# KiCad board panel_32x32_1515_r0.1.kicad_pcb (continued)
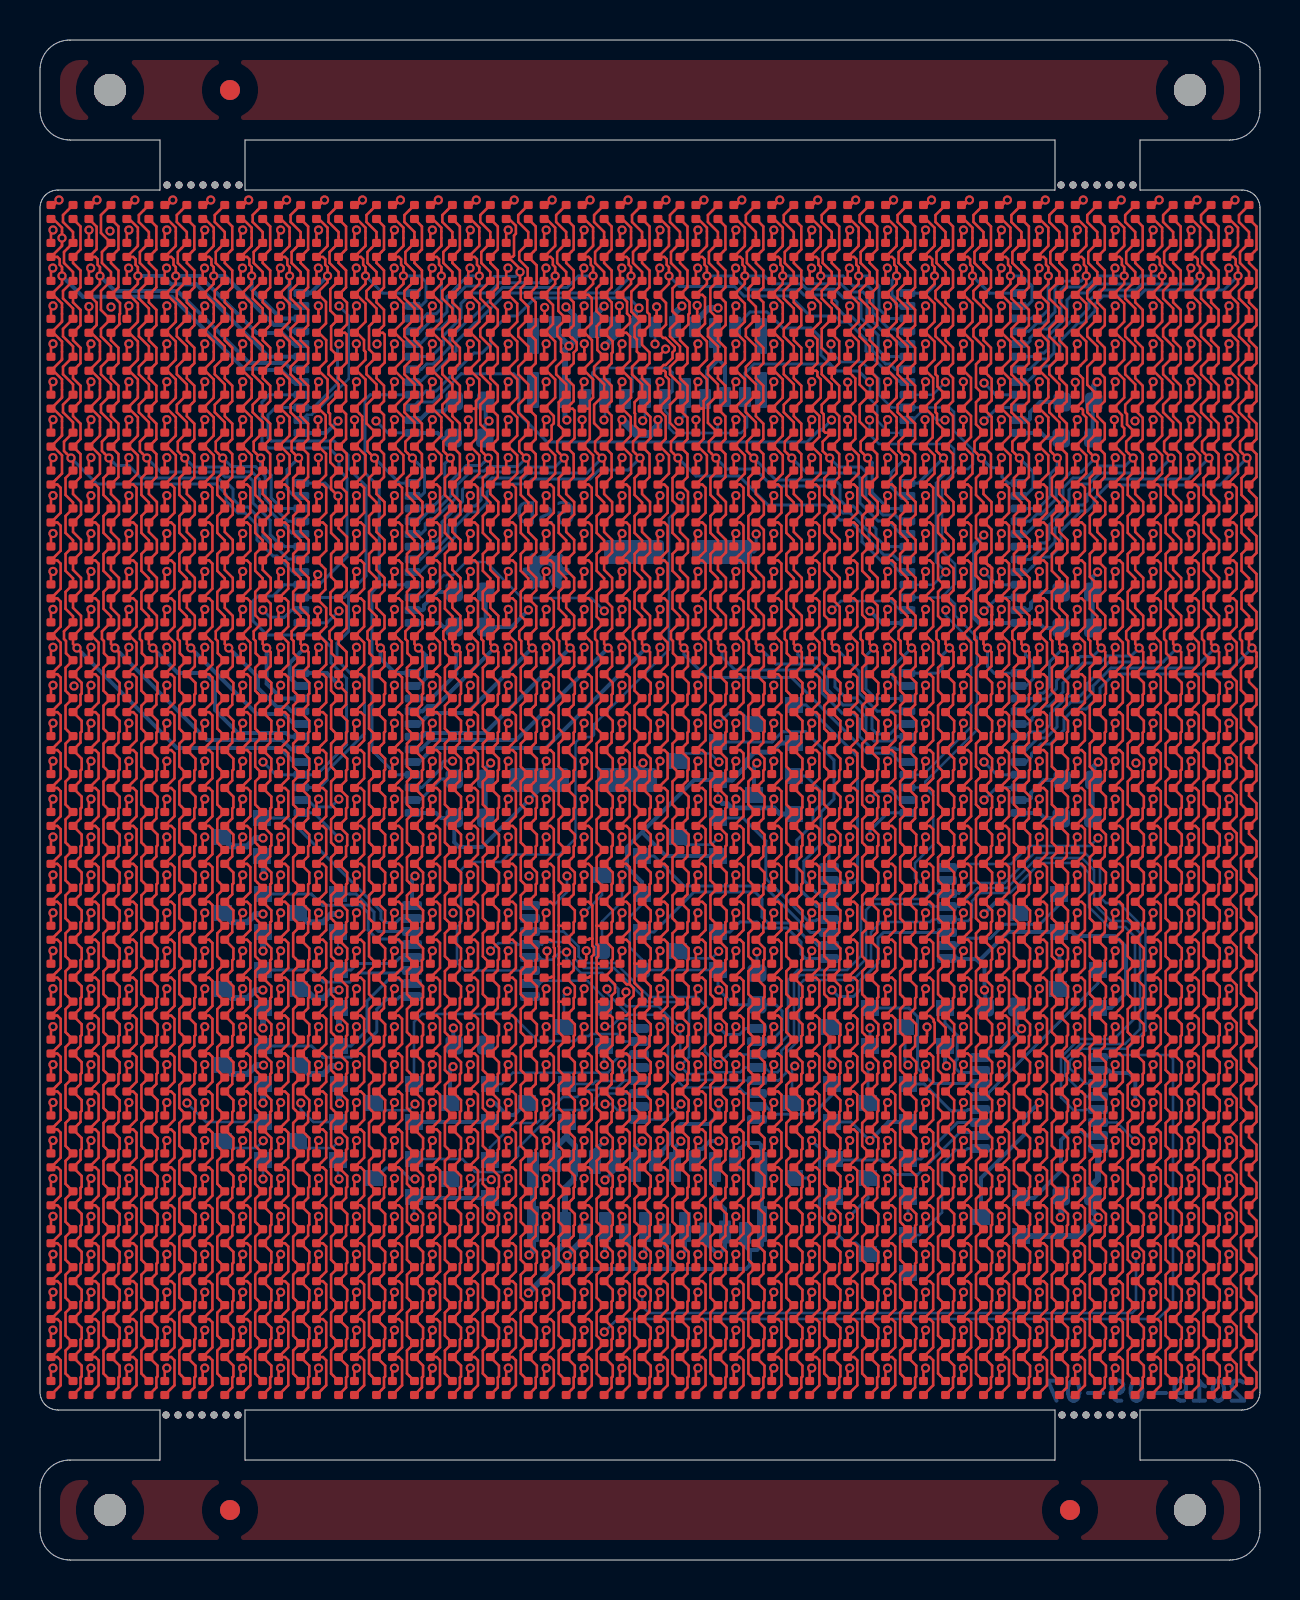
[diagram p0: board, top side]
## Routing (per net, layer and track width the routed paths; a pad name or vN(x,y) marks a point on that pad's centre or on a via; arc(x,y) is an arc through that point) (continued)
COL_GA0: length 83
  Top w0.127: D993.3 2.03,8.63 2.03,9.12 2.08,9.18 2.08,9.72 D961.3 2.03,10.52 2.03,11.02 2.08,11.08 2.08,11.61 D929.3 2.03,12.42 2.03,12.92 2.08,12.97 2.08,13.51 D897.3 2.03,14.32 2.03,14.81 2.08,14.87 2.08,15.41 D865.3 2.03,16.21 2.03,16.71 2.08,16.77 2.08,17.3 D833.3 2.03,18.11 2.03,18.61 2.08,18.66 2.08,19.2 D801.3 2.03,20.01 2.03,20.5 2.08,20.56 2.08,21.1 D769.3 2.03,21.9 2.03,22.4 2.08,22.46 2.08,22.99 D737.3 2.03,23.8 2.03,24.3 2.08,24.35 2.08,24.89 D705.3 2.03,25.7 2.03,26.19 2.08,26.25 2.08,26.79 D673.3 2.03,27.59 2.03,28.09 2.08,28.15 2.08,28.68 D641.3 2.03,29.49 2.03,29.99 2.08,30.04 2.08,30.58 D609.3 2.03,31.39 2.03,31.88 2.08,31.94 2.08,32.48 D577.3 2.03,33.28 2.03,33.78 2.08,33.84 2.08,34.37 D545.3 2.03,35.18 2.03,35.68 2.08,35.73 2.08,36.27 D513.3 2.03,37.08 2.03,37.57 2.08,37.63 2.08,38.17 D481.3 2.03,38.97 2.03,39.47 2.08,39.53 2.08,40.07 D449.3 2.03,40.87 2.03,41.37 2.08,41.42 2.08,41.96 D417.3 2.03,42.77 2.03,43.26 2.08,43.32 2.08,43.86 D385.3 2.05,44.69 2.05,45.4 v1(1.85,45.6) 1.65,45.8 D353.3 2.05,46.59 2.05,47.21 1.65,47.61 D321.3 2.05,48.48 2.05,49.11 1.65,49.51 D289.3 2.05,50.38 2.05,51 1.65,51.4 D257.3 2.05,52.28 2.05,52.9 1.65,53.3 D225.3 2.03,54.15 2.03,55.3 D193.3 2.03,56.04 2.03,56.82 1.65,57.19 D161.3 2.03,57.94 2.03,58.71 1.65,59.09 D129.3 2.03,59.84 2.03,60.61 1.65,60.99 D97.3 2.03,61.73 2.03,62.51 1.65,62.88 D65.3 2.03,63.63 2.03,64.48 1.65,64.85 D33.3 2.03,65.53 2.03,66.68 D1.3
  Bottom w0.2: v1(1.85,45.6) 6.85,40.6 12,40.6 12.7,39.9 U5.5
COL_GA1: length 80.9
  Top w0.127: D2.3 3.92,66.68 3.92,65.53 D34.3 3.55,64.85 3.92,64.48 3.92,63.63 D66.3 3.59,63.26 4,62.85 4,62.31 3.97,62.28 3.97,61.84 4,61.81 D98.3 3.55,60.99 3.92,60.61 3.92,59.84 D130.3 3.55,59.09 3.92,58.71 3.92,57.94 D162.3 3.55,57.19 3.92,56.82 3.92,56.04 D194.3 3.92,55.3 3.92,54.15 D226.3 3.55,53.3 3.95,52.9 3.95,52.28 D258.3 3.55,51.4 3.95,51 3.95,50.38 D290.3 3.55,49.51 3.95,49.11 3.95,48.48 D322.3 3.55,47.61 3.95,47.21 3.95,46.59 D354.3 3.55,45.8 v1(3.75,45.6) 3.95,45.4 3.95,44.69 D386.3 3.98,43.86 3.98,43.32 3.92,43.26 3.92,42.77 D418.3 3.98,41.96 3.98,41.42 3.92,41.37 3.92,40.87 D450.3 3.98,40.07 3.98,39.53 3.92,39.47 3.92,38.97 D482.3 3.98,38.17 3.98,37.63 3.92,37.57 3.92,37.08 D514.3 3.98,36.27 3.98,35.73 3.92,35.68 3.92,35.18 D546.3 3.98,34.37 3.98,33.84 3.92,33.78 3.92,33.28 D578.3 3.98,32.48 3.98,31.94 3.92,31.88 3.92,31.39 D610.3 3.98,30.58 3.98,30.04 3.92,29.99 3.92,29.49 D642.3 3.98,28.68 3.98,28.15 3.92,28.09 3.92,27.59 D674.3 3.98,26.79 3.98,26.25 3.92,26.19 3.92,25.7 D706.3 3.98,24.89 3.98,24.35 3.92,24.3 3.92,23.8 D738.3 3.98,22.99 3.98,22.46 3.92,22.4 3.92,21.9 D770.3 3.98,21.1 3.98,20.56 3.92,20.5 3.92,20.01 D802.3 3.98,19.2 3.98,18.66 3.92,18.61 3.92,18.11 D834.3 3.98,17.3 3.98,16.77 3.92,16.71 3.92,16.21 D866.3 3.98,15.41 3.98,14.87 3.92,14.81 3.92,14.32 D898.3 3.98,13.51 3.98,12.97 3.92,12.92 3.92,12.42 D930.3 3.98,11.61 3.98,11.08 3.92,11.02 3.92,10.52 D962.3 3.98,9.72 3.98,9.18 3.92,9.12 3.92,8.63 D994.3
  Bottom w0.2: U5.6 12.57,40.53 12.1,41 8.35,41 v1(3.75,45.6)
COL_GA2: length 79.5
  Top w0.127: D3.3 5.82,66.68 5.82,65.53 D35.3 5.44,64.85 5.82,64.48 5.82,63.63 D67.3 5.44,62.88 5.82,62.51 5.82,61.73 D99.3 5.44,60.99 5.82,60.61 5.82,59.84 D131.3 5.44,59.09 5.82,58.71 5.82,57.94 D163.3 5.44,57.19 5.82,56.82 5.82,56.04 D195.3 5.82,55.3 5.82,54.15 D227.3 5.44,53.3 5.84,52.9 5.84,52.28 D259.3 5.44,51.4 5.84,51 5.84,50.38 D291.3 5.44,49.51 5.84,49.11 5.84,48.48 D323.3 5.44,47.61 5.84,47.21 5.84,46.59 D355.3 5.44,45.8 v1(5.64,45.6) 5.84,45.4 5.84,44.69 D387.3 5.88,43.86 5.88,43.32 5.82,43.26 5.82,42.77 D419.3 5.88,41.96 5.88,41.42 5.82,41.37 5.82,40.87 D451.3 5.88,40.07 5.88,39.53 5.82,39.47 5.82,38.97 D483.3 5.88,38.17 5.88,37.63 5.82,37.57 5.82,37.08 D515.3 5.88,36.27 5.88,35.73 5.82,35.68 5.82,35.18 D547.3 5.88,34.37 5.88,33.84 5.82,33.78 5.82,33.28 D579.3 5.88,32.48 5.88,31.94 5.82,31.88 5.82,31.39 D611.3 5.88,30.58 5.88,30.04 5.82,29.99 5.82,29.49 D643.3 5.88,28.68 5.88,28.15 5.82,28.09 5.82,27.59 D675.3 5.88,26.79 5.88,26.25 5.82,26.19 5.82,25.7 D707.3 5.88,24.89 5.88,24.35 5.82,24.3 5.82,23.8 D739.3 5.88,22.99 5.88,22.46 5.82,22.4 5.82,21.9 D771.3 5.88,21.1 5.88,20.56 5.82,20.5 5.82,20.01 D803.3 5.88,19.2 5.88,18.66 5.82,18.61 5.82,18.11 D835.3 5.88,17.3 5.88,16.77 5.82,16.71 5.82,16.21 D867.3 5.88,15.41 5.88,14.87 5.82,14.81 5.82,14.32 D899.3 5.88,13.51 5.88,12.97 5.82,12.92 5.82,12.42 D931.3 5.88,11.61 5.88,11.08 5.82,11.02 5.82,10.52 D963.3 5.88,9.72 5.88,9.18 5.82,9.12 5.82,8.63 D995.3
  Bottom w0.2: v1(5.64,45.6) 6.89,44.35 8.25,44.35 8.75,43.85 8.75,42.5 9.9,41.35 12.3,41.35 12.48,41.17 U5.7
COL_GA3: length 76.5
  Top w0.127: D4.3 7.72,66.68 7.72,65.53 D36.3 7.34,64.85 7.72,64.48 7.72,63.63 D68.3 7.34,62.88 7.72,62.51 7.72,61.73 D100.3 7.34,60.99 7.72,60.61 7.72,59.84 D132.3 7.34,59.09 7.72,58.71 7.72,57.94 D164.3 7.34,57.19 7.72,56.82 7.72,56.04 D196.3 7.72,55.3 7.72,54.15 D228.3 7.34,53.3 7.74,52.9 7.74,52.28 D260.3 7.34,51.4 7.74,51 7.74,50.38 D292.3 7.34,49.51 7.74,49.11 7.74,48.48 D324.3 7.34,47.61 7.74,47.21 7.74,46.59 D356.3 7.34,45.8 v1(7.54,45.6) 7.74,45.4 7.74,44.69 D388.3 7.77,43.86 7.77,43.32 7.72,43.26 7.72,42.77 D420.3 7.77,41.96 7.77,41.42 7.72,41.37 7.72,40.87 D452.3 7.77,40.07 7.77,39.53 7.72,39.47 7.72,38.97 D484.3 7.77,38.17 7.77,37.63 7.72,37.57 7.72,37.08 D516.3 7.77,36.27 7.77,35.73 7.72,35.68 7.72,35.18 D548.3 7.77,34.37 7.77,33.84 7.72,33.78 7.72,33.28 D580.3 7.77,32.48 7.77,31.94 7.72,31.88 7.72,31.39 D612.3 7.77,30.58 7.77,30.04 7.72,29.99 7.72,29.49 D644.3 7.77,28.68 7.77,28.15 7.72,28.09 7.72,27.59 D676.3 7.77,26.79 7.77,26.25 7.72,26.19 7.72,25.7 D708.3 7.77,24.89 7.77,24.35 7.72,24.3 7.72,23.8 D740.3 7.77,22.99 7.77,22.46 7.72,22.4 7.72,21.9 D772.3 7.77,21.1 7.77,20.56 7.72,20.5 7.72,20.01 D804.3 7.77,19.2 7.77,18.66 7.72,18.61 7.72,18.11 D836.3 7.77,17.3 7.77,16.77 7.72,16.71 7.72,16.21 D868.3 7.77,15.41 7.77,14.87 7.72,14.81 7.72,14.32 D900.3 7.77,13.51 7.77,12.97 7.72,12.92 7.72,12.42 D932.3 7.77,11.61 7.77,11.08 7.72,11.02 7.72,10.52 D964.3 7.77,9.72 7.77,9.18 7.72,9.12 7.72,8.63 D996.3
  Bottom w0.2: v1(7.54,45.6) 10.84,42.3 12.2,42.3 12.7,41.8 U5.8
COL_GA4: length 74.7
  Top w0.127: D5.3 9.61,66.68 9.61,65.53 D37.3 9.24,64.85 9.61,64.48 9.61,63.63 D69.3 9.24,62.88 9.61,62.51 9.61,61.73 D101.3 9.24,60.99 9.61,60.61 9.61,59.84 D133.3 9.24,59.09 9.61,58.71 9.61,57.94 D165.3 9.24,57.19 9.61,56.82 9.61,56.04 D197.3 9.61,55.3 9.61,54.15 D229.3 9.24,53.3 9.64,52.9 9.64,52.28 D261.3 9.24,51.4 9.64,51 9.64,50.38 D293.3 9.24,49.51 9.64,49.11 9.64,48.48 D325.3 9.24,47.61 9.64,47.21 9.64,46.59 D357.3 9.24,45.8 v1(9.44,45.6) 9.64,45.4 9.64,44.69 D389.3 9.67,43.86 9.67,43.32 9.61,43.26 9.61,42.77 D421.3 9.67,41.96 9.67,41.42 9.61,41.37 9.61,40.87 D453.3 9.67,40.07 9.67,39.53 9.61,39.47 9.61,38.97 D485.3 9.67,38.17 9.67,37.63 9.61,37.57 9.61,37.08 D517.3 9.67,36.27 9.67,35.73 9.61,35.68 9.61,35.18 D549.3 9.67,34.37 9.67,33.84 9.61,33.78 9.61,33.28 D581.3 9.67,32.48 9.67,31.94 9.61,31.88 9.61,31.39 D613.3 9.67,30.58 9.67,30.04 9.61,29.99 9.61,29.49 D645.3 9.67,28.68 9.67,28.15 9.61,28.09 9.61,27.59 D677.3 9.67,26.79 9.67,26.25 9.61,26.19 9.61,25.7 D709.3 9.67,24.89 9.67,24.35 9.61,24.3 9.61,23.8 D741.3 9.67,22.99 9.67,22.46 9.61,22.4 9.61,21.9 D773.3 9.67,21.1 9.67,20.56 9.61,20.5 9.61,20.01 D805.3 9.67,19.2 9.67,18.66 9.61,18.61 9.61,18.11 D837.3 9.67,17.3 9.67,16.77 9.61,16.71 9.61,16.21 D869.3 9.67,15.41 9.67,14.87 9.61,14.81 9.61,14.32 D901.3 9.67,13.51 9.67,12.97 9.61,12.92 9.61,12.42 D933.3 9.67,11.61 9.67,11.08 9.61,11.02 9.61,10.52 D965.3 9.67,9.72 9.67,9.18 9.61,9.12 9.61,8.63 D997.3
  Bottom w0.2: v1(9.44,45.6) 10.9,44.14 10.9,43.6 11.85,42.65 12.36,42.65 12.57,42.44 U5.9
COL_GA5: length 73.3
  Top w0.127: D6.3 11.51,66.68 11.51,65.53 D38.3 11.14,64.85 11.51,64.48 11.51,63.63 D70.3 11.14,62.88 11.51,62.51 11.51,61.73 D102.3 11.14,60.99 11.51,60.61 11.51,59.84 D134.3 11.14,59.09 11.51,58.71 11.51,57.94 D166.3 11.14,57.19 11.51,56.82 11.51,56.04 D198.3 11.51,55.3 11.51,54.15 D230.3 11.14,53.3 11.53,52.9 11.53,52.28 D262.3 11.14,51.4 11.53,51 11.53,50.38 D294.3 11.14,49.51 11.53,49.11 11.53,48.48 D326.3 11.27,48.08 11.53,47.82 11.53,46.59 D358.3 11.14,45.8 v1(11.33,45.6) 11.53,45.4 11.53,44.69 D390.3 11.57,43.86 11.57,43.32 11.51,43.26 11.51,42.77 D422.3 11.57,41.96 11.57,41.42 11.51,41.37 11.51,40.87 D454.3 11.57,40.07 11.57,39.53 11.51,39.47 11.51,38.97 D486.3 11.57,38.17 11.57,37.63 11.51,37.57 11.51,37.08 D518.3 11.57,36.27 11.57,35.73 11.51,35.68 11.51,35.18 D550.3 11.57,34.37 11.57,33.84 11.51,33.78 11.51,33.28 D582.3 11.57,32.48 11.57,31.94 11.51,31.88 11.51,31.39 D614.3 11.57,30.58 11.57,30.04 11.51,29.99 11.51,29.49 D646.3 11.57,28.68 11.57,28.15 11.51,28.09 11.51,27.59 D678.3 11.57,26.79 11.57,26.25 11.51,26.19 11.51,25.7 D710.3 11.57,24.89 11.57,24.35 11.51,24.3 11.51,23.8 D742.3 11.57,22.99 11.57,22.46 11.51,22.4 11.51,21.9 D774.3 11.57,21.1 11.57,20.56 11.51,20.5 11.51,20.01 D806.3 11.57,19.2 11.57,18.66 11.51,18.61 11.51,18.11 D838.3 11.57,17.3 11.57,16.77 11.51,16.71 11.51,16.21 D870.3 11.57,15.41 11.57,14.87 11.51,14.81 11.51,14.32 D902.3 11.57,13.51 11.57,12.97 11.51,12.92 11.51,12.42 D934.3 11.57,11.61 11.57,11.08 11.51,11.02 11.51,10.52 D966.3 11.57,9.72 11.57,9.18 11.51,9.12 11.51,8.63 D998.3
  Bottom w0.2: U5.10 12.08,43.07 11.33,43.82 v1(11.33,45.6)
COL_GA6: length 72
  Top w0.127: D7.3 13.41,66.68 13.41,65.53 D39.3 13.03,64.85 13.41,64.48 13.41,63.63 D71.3 13.03,62.88 13.41,62.51 13.41,61.73 D103.3 13.03,60.99 13.41,60.61 13.41,59.84 D135.3 13.03,59.09 13.41,58.71 13.41,57.94 D167.3 13.03,57.19 13.41,56.82 13.41,56.04 D199.3 13.41,55.3 13.41,54.15 D231.3 13.03,53.3 13.43,52.9 13.43,52.28 D263.3 13.03,51.4 13.43,51 13.43,50.38 D295.3 13.03,49.51 13.43,49.11 13.43,48.48 D327.3 13.03,47.61 13.43,47.21 13.43,46.59 D359.3 13.03,45.8 v1(13.23,45.6) 13.43,45.4 13.43,44.69 D391.3 13.46,43.86 13.46,43.32 13.41,43.26 13.41,42.77 D423.3 13.46,41.96 13.46,41.42 13.41,41.37 13.41,40.87 D455.3 13.46,40.07 13.46,39.53 13.41,39.47 13.41,38.97 D487.3 13.46,38.17 13.46,37.63 13.41,37.57 13.41,37.08 D519.3 13.46,36.27 13.46,35.73 13.41,35.68 13.41,35.18 D551.3 13.46,34.37 13.46,33.84 13.41,33.78 13.41,33.28 D583.3 13.46,32.48 13.46,31.94 13.41,31.88 13.41,31.39 D615.3 13.46,30.58 13.46,30.04 13.41,29.99 13.41,29.49 D647.3 13.46,28.68 13.46,28.15 13.41,28.09 13.41,27.59 D679.3 13.46,26.79 13.46,26.25 13.41,26.19 13.41,25.7 D711.3 13.46,24.89 13.46,24.35 13.41,24.3 13.41,23.8 D743.3 13.46,22.99 13.46,22.46 13.41,22.4 13.41,21.9 D775.3 13.46,21.1 13.46,20.56 13.41,20.5 13.41,20.01 D807.3 13.46,19.2 13.46,18.66 13.41,18.61 13.41,18.11 D839.3 13.46,17.3 13.46,16.77 13.41,16.71 13.41,16.21 D871.3 13.46,15.41 13.46,14.87 13.41,14.81 13.41,14.32 D903.3 13.46,13.51 13.46,12.97 13.41,12.92 13.41,12.42 D935.3 13.46,11.61 13.46,11.08 13.41,11.02 13.41,10.52 D967.3 13.46,9.72 13.46,9.18 13.41,9.12 13.41,8.63 D999.3
  Bottom w0.2: U5.11 12.9,43.71 12.48,44.12 12.48,44.85 v1(13.23,45.6)
COL_GA7: length 71.9
  Top w0.127: D8.3 15.3,66.68 15.3,65.53 D40.3 14.93,64.85 15.3,64.48 15.3,63.63 D72.3 14.96,63.26 15.35,62.87 15.35,61.78 D104.3 15.25,61.36 15.33,61.28 15.33,59.87 D136.3 14.93,59.09 15.3,58.71 15.3,57.94 D168.3 15.03,57.57 15.3,57.3 15.3,56.04 D200.3 14.98,55.67 15.33,55.32 15.33,54.18 D232.3 15.33,53.38 15.33,52.28 D264.3 14.93,51.57 15.35,51.15 15.35,50.4 D296.3 15.33,49.58 15.33,48.49 D328.3 15.33,47.68 15.33,46.59 D360.3 14.93,45.8 15.33,45.4 15.33,44.69 D392.3 14.93,43.76 v1(14.94,43.75) 15.3,43.38 15.3,42.77 D424.3 15.36,41.96 15.36,41.42 15.3,41.37 15.3,40.87 D456.3 15.36,40.07 15.36,39.53 15.3,39.47 15.3,38.97 D488.3 15.36,38.17 15.36,37.63 15.3,37.57 15.3,37.08 D520.3 15.36,36.27 15.36,35.73 15.3,35.68 15.3,35.18 D552.3 15.36,34.37 15.36,33.84 15.3,33.78 15.3,33.28 D584.3 15.36,32.48 15.36,31.94 15.3,31.88 15.3,31.39 D616.3 15.36,30.58 15.36,30.04 15.3,29.99 15.3,29.49 D648.3 15.36,28.68 15.36,28.15 15.3,28.09 15.3,27.59 D680.3 15.36,26.79 15.36,26.25 15.3,26.19 15.3,25.7 D712.3 15.36,24.89 15.36,24.35 15.3,24.3 15.3,23.8 D744.3 15.36,22.99 15.36,22.46 15.3,22.4 15.3,21.9 D776.3 15.36,21.1 15.36,20.56 15.3,20.5 15.3,20.01 D808.3 15.36,19.2 15.36,18.66 15.3,18.61 15.3,18.11 D840.3 15.36,17.3 15.36,16.77 15.3,16.71 15.3,16.21 D872.3 15.36,15.41 15.36,14.87 15.3,14.81 15.3,14.32 D904.3 15.36,13.51 15.36,12.97 15.3,12.92 15.3,12.42 D936.3 15.36,11.61 15.36,11.08 15.3,11.02 15.3,10.52 D968.3 15.36,9.72 15.36,9.18 15.3,9.12 15.3,8.63 D1000.3
  Bottom w0.2: v1(14.94,43.75) 14.34,44.34 U5.12
COL_GA8: length 72.1
  Top w0.127: D9.3 17.2,66.68 17.2,65.53 D41.3 16.83,64.85 17.2,64.48 17.2,63.63 D73.3 16.83,62.88 17.2,62.51 17.2,61.73 D105.3 17.15,61.36 17.23,61.28 17.23,59.87 D137.3 16.83,59.09 17.2,58.71 17.2,57.94 D169.3 16.88,57.57 17.2,57.25 17.2,56.04 D201.3 17.2,55.3 17.2,54.15 D233.3 16.83,53.3 17.22,52.9 17.22,52.28 D265.3 16.83,51.4 17.22,51 17.22,50.38 D297.3 16.83,49.51 17.22,49.11 17.22,48.48 D329.3 16.83,47.61 17.22,47.21 17.22,46.59 D361.3 16.83,45.8 v1(17.02,45.6) 17.22,45.4 17.22,44.69 D393.3 17.26,43.86 17.26,43.32 17.2,43.26 17.2,42.77 D425.3 17.26,41.96 17.26,41.42 17.2,41.37 17.2,40.87 D457.3 17.26,40.07 17.26,39.53 17.2,39.47 17.2,38.97 D489.3 17.26,38.17 17.26,37.63 17.2,37.57 17.2,37.08 D521.3 17.26,36.27 17.26,35.73 17.2,35.68 17.2,35.18 D553.3 17.26,34.37 17.26,33.84 17.2,33.78 17.2,33.28 D585.3 17.26,32.48 17.26,31.94 17.2,31.88 17.2,31.39 D617.3 17.26,30.58 17.26,30.04 17.2,29.99 17.2,29.49 D649.3 17.26,28.68 17.26,28.15 17.2,28.09 17.2,27.59 D681.3 17.26,26.79 17.26,26.25 17.2,26.19 17.2,25.7 D713.3 17.26,24.89 17.26,24.35 17.2,24.3 17.2,23.8 D745.3 17.26,22.99 17.26,22.46 17.2,22.4 17.2,21.9 D777.3 17.26,21.1 17.26,20.56 17.2,20.5 17.2,20.01 D809.3 17.26,19.2 17.26,18.66 17.2,18.61 17.2,18.11 D841.3 17.26,17.3 17.26,16.77 17.2,16.71 17.2,16.21 D873.3 17.26,15.41 17.26,14.87 17.2,14.81 17.2,14.32 D905.3 17.26,13.51 17.26,12.97 17.2,12.92 17.2,12.42 D937.3 17.26,11.61 17.26,11.08 17.2,11.02 17.2,10.52 D969.3 17.26,9.72 17.26,9.18 17.2,9.12 17.2,8.63 D1001.3
  Bottom w0.2: U5.13 17.76,44.34 17.02,45.08 v1(17.02,45.6)
COL_GA9: length 71.9
  Top w0.127: D10.3 19.1,66.68 19.1,65.53 D42.3 18.72,64.85 19.1,64.48 19.1,63.63 D74.3 18.72,62.88 19.1,62.51 19.1,61.73 D106.3 18.72,60.99 19.1,60.61 19.1,59.84 D138.3 18.72,59.09 19.1,58.71 19.1,57.94 D170.3 18.72,57.19 19.1,56.82 19.1,56.04 D202.3 19.1,55.3 19.1,54.15 D234.3 18.72,53.3 19.12,52.9 19.12,52.28 D266.3 18.72,51.4 19.12,51 19.12,50.38 D298.3 18.72,49.51 19.12,49.11 19.12,48.48 D330.3 18.72,47.61 19.12,47.21 19.12,46.59 D362.3 18.72,45.8 v1(18.92,45.6) 19.12,45.4 19.12,44.69 D394.3 19.15,43.86 19.15,43.32 19.1,43.26 19.1,42.77 D426.3 19.15,41.96 19.15,41.42 19.1,41.37 19.1,40.87 D458.3 19.15,40.07 19.15,39.53 19.1,39.47 19.1,38.97 D490.3 19.15,38.17 19.15,37.63 19.1,37.57 19.1,37.08 D522.3 19.15,36.27 19.15,35.73 19.1,35.68 19.1,35.18 D554.3 19.15,34.37 19.15,33.84 19.1,33.78 19.1,33.28 D586.3 19.15,32.48 19.15,31.94 19.1,31.88 19.1,31.39 D618.3 19.15,30.58 19.15,30.04 19.1,29.99 19.1,29.49 D650.3 19.15,28.68 19.15,28.15 19.1,28.09 19.1,27.59 D682.3 19.15,26.79 19.15,26.25 19.1,26.19 19.1,25.7 D714.3 19.15,24.89 19.15,24.35 19.1,24.3 19.1,23.8 D746.3 19.15,22.99 19.15,22.46 19.1,22.4 19.1,21.9 D778.3 19.15,21.1 19.15,20.56 19.1,20.5 19.1,20.01 D810.3 19.15,19.2 19.15,18.66 19.1,18.61 19.1,18.11 D842.3 19.15,17.3 19.15,16.77 19.1,16.71 19.1,16.21 D874.3 19.15,15.41 19.15,14.87 19.1,14.81 19.1,14.32 D906.3 19.15,13.51 19.15,12.97 19.1,12.92 19.1,12.42 D938.3 19.15,11.61 19.15,11.08 19.1,11.02 19.1,10.52 D970.3 19.15,9.72 19.15,9.18 19.1,9.12 19.1,8.63 D1002.3
  Bottom w0.2: v1(18.92,45.6) 19.3,45.22 19.3,44.1 18.91,43.71 U5.14
COL_GA10: length 73.4
  Top w0.127: D11.3 20.99,66.68 20.99,65.53 D43.3 20.62,64.85 20.99,64.48 20.99,63.63 D75.3 20.62,62.88 20.99,62.51 20.99,61.73 D107.3 20.62,60.99 20.99,60.61 20.99,59.84 D139.3 20.62,59.09 20.99,58.71 20.99,57.94 D171.3 20.62,57.19 20.99,56.82 20.99,56.04 D203.3 20.99,55.3 20.99,54.15 D235.3 20.62,53.3 21.02,52.9 21.02,52.28 D267.3 20.62,51.4 21.02,51 21.02,50.38 D299.3 20.62,49.51 21.02,49.11 21.02,48.48 D331.3 20.62,47.61 21.02,47.21 21.02,46.59 D363.3 20.62,45.8 v1(20.82,45.6) 21.02,45.4 21.02,44.69 D395.3 21.05,43.86 21.05,43.32 20.99,43.26 20.99,42.77 D427.3 21.05,41.96 21.05,41.42 20.99,41.37 20.99,40.87 D459.3 21.05,40.07 21.05,39.53 20.99,39.47 20.99,38.97 D491.3 21.05,38.17 21.05,37.63 20.99,37.57 20.99,37.08 D523.3 21.05,36.27 21.05,35.73 20.99,35.68 20.99,35.18 D555.3 21.05,34.37 21.05,33.84 20.99,33.78 20.99,33.28 20.65,32.95 21.05,32.55 21.05,31.94 20.99,31.88 20.99,31.39 D619.3 21.05,30.58 21.05,30.04 20.99,29.99 20.99,29.49 D651.3 21.05,28.68 21.05,28.15 20.99,28.09 20.99,27.59 D683.3 21.05,26.79 21.05,26.25 20.99,26.19 20.99,25.7 D715.3 21.05,24.89 21.05,24.35 20.99,24.3 20.99,23.8 D747.3 21.05,22.99 21.05,22.46 20.99,22.4 20.99,21.9 D779.3 21.05,21.1 21.05,20.56 20.99,20.5 20.99,20.01 D811.3 21.05,19.2 21.05,18.66 20.99,18.61 20.99,18.11 D843.3 21.05,17.3 21.05,16.77 20.99,16.71 20.99,16.21 D875.3 21.05,15.41 21.05,14.87 20.99,14.81 20.99,14.32 D907.3 21.05,13.51 21.05,12.97 20.99,12.92 20.99,12.42 D939.3 21.05,11.61 21.05,11.08 20.99,11.02 20.99,10.52 D971.3 21.05,9.72 21.05,9.18 20.99,9.12 20.99,8.63 D1003.3
  Bottom w0.2: v1(20.82,45.6) 20.82,44.32 19.57,43.07 U5.15
COL_GA11: length 74.8
  Top w0.127: D1004.3 22.89,8.63 22.89,9.12 22.95,9.18 22.95,9.72 D972.3 22.89,10.52 22.89,11.02 22.95,11.08 22.95,11.61 D940.3 22.89,12.42 22.89,12.92 22.95,12.97 22.95,13.51 D908.3 22.89,14.32 22.89,14.81 22.95,14.87 22.95,15.41 D876.3 22.89,16.21 22.89,16.71 22.95,16.77 22.95,17.3 D844.3 22.89,18.11 22.89,18.61 22.95,18.66 22.95,19.2 D812.3 22.89,20.01 22.89,20.5 22.95,20.56 22.95,21.1 D780.3 22.89,21.9 22.89,22.4 22.95,22.46 22.95,22.99 D748.3 22.89,23.8 22.89,24.3 22.95,24.35 22.95,24.89 D716.3 22.89,25.7 22.89,26.19 22.95,26.25 22.95,26.79 D684.3 22.89,27.59 22.89,28.09 22.95,28.15 22.95,28.68 D652.3 22.89,29.49 22.89,29.99 22.95,30.04 22.95,30.58 D620.3 22.89,31.39 22.89,31.88 22.95,31.94 22.95,32.48 D588.3 22.89,33.28 22.89,33.78 22.95,33.84 22.95,34.37 D556.3 22.89,35.18 22.89,35.68 22.95,35.73 22.95,36.27 D524.3 22.89,37.08 22.89,37.57 22.95,37.63 22.95,38.17 D492.3 22.89,38.97 22.89,39.47 22.95,39.53 22.95,40.07 D460.3 22.89,40.87 22.89,41.37 22.95,41.42 22.95,41.96 D428.3 22.89,42.77 22.89,43.26 22.95,43.32 22.95,43.86 D396.3 22.91,44.69 22.91,45.4 v1(22.71,45.6) 22.52,45.8 D364.3 22.91,46.59 22.91,47.21 22.52,47.61 D332.3 22.91,48.48 22.91,49.11 22.52,49.51 D300.3 22.91,50.38 22.91,51 22.52,51.4 D268.3 22.91,52.28 22.91,52.9 22.52,53.3 D236.3 22.89,54.15 22.89,55.3 D204.3 22.89,56.04 22.89,57.21 22.53,57.57 D172.3 22.89,57.94 22.89,58.71 22.52,59.09 D140.3 22.89,59.84 22.89,60.61 22.52,60.99 D108.3 22.89,61.73 22.89,62.51 22.52,62.88 D76.3 22.89,63.63 22.89,64.48 22.52,64.85 D44.3 22.89,65.53 22.89,66.68 D12.3
  Bottom w0.2: v1(22.71,45.6) 19.81,42.7 19.39,42.7 19.13,42.44 U5.16
COL_GA12: length 77
  Top w0.127: D1005.3 24.79,8.63 24.79,9.12 24.84,9.18 24.84,9.72 D973.3 24.79,10.52 24.79,11.02 24.84,11.08 24.84,11.61 D941.3 24.79,12.42 24.79,12.92 24.84,12.97 24.84,13.51 D909.3 24.79,14.32 24.79,14.81 24.84,14.87 24.84,15.41 D877.3 24.79,16.21 24.79,16.71 24.84,16.77 24.84,17.3 D845.3 24.79,18.11 24.79,18.61 24.84,18.66 24.84,19.2 D813.3 24.79,20.01 24.79,20.5 24.84,20.56 24.84,21.1 D781.3 24.79,21.9 24.79,22.4 24.84,22.46 24.84,22.99 D749.3 24.79,23.8 24.79,24.3 24.84,24.35 24.84,24.89 D717.3 24.79,25.7 24.79,26.19 24.84,26.25 24.84,26.79 D685.3 24.79,27.59 24.79,28.09 24.84,28.15 24.84,28.68 D653.3 24.79,29.49 24.79,29.99 24.84,30.04 24.84,30.58 D621.3 24.79,31.39 24.79,31.88 24.84,31.94 24.84,32.48 D589.3 24.79,33.28 24.79,33.78 24.84,33.84 24.84,34.37 D557.3 24.79,35.18 24.79,35.68 24.84,35.73 24.84,36.27 D525.3 24.79,37.08 24.79,37.57 24.84,37.63 24.84,38.17 D493.3 24.79,38.97 24.79,39.47 24.84,39.53 24.84,40.07 D461.3 24.79,40.87 24.79,41.37 24.84,41.42 24.84,41.96 D429.3 24.79,42.77 24.79,43.26 24.84,43.32 24.84,43.86 D397.3 24.81,44.69 24.81,45.4 v1(24.61,45.6) 24.41,45.8 D365.3 24.81,46.59 24.81,47.68 D333.3 24.81,48.48 24.81,49.11 24.41,49.51 D301.3 24.81,50.38 24.81,51 24.41,51.4 D269.3 24.81,52.28 24.81,52.9 24.41,53.3 D237.3 24.79,54.15 24.79,55.3 D205.3 24.79,56.04 24.79,57.19 D173.3 24.79,57.94 24.79,59.09 D141.3 24.79,59.84 24.79,60.99 D109.3 24.79,61.73 24.79,62.88 D77.3 24.83,63.68 24.83,64.73 D45.3 24.79,65.53 24.79,66.68 D13.3
  Bottom w0.2: U5.17 18.96,41.8 19.51,42.35 21.36,42.35 v1(24.61,45.6)
COL_GA13: length 79.5
  Top w0.127: D14.3 26.68,66.68 26.68,65.53 D46.3 26.31,64.85 26.68,64.48 26.68,63.63 D78.3 26.68,62.88 26.68,61.73 D110.3 26.57,61.1 26.61,61.1 26.83,60.88 26.83,60.52 26.68,60.37 26.68,59.84 D142.3 26.31,59.09 26.68,58.71 26.68,57.94 D174.3 26.63,57.57 26.72,57.47 26.72,56.09 D206.3 26.68,55.3 26.68,54.15 D238.3 26.31,53.3 26.71,52.9 26.71,52.28 D270.3 26.31,51.4 26.71,51 26.71,50.38 D302.3 26.31,49.51 26.71,49.11 26.71,48.48 D334.3 26.31,47.61 26.71,47.21 26.71,46.59 D366.3 26.31,45.8 v1(26.51,45.6) 26.71,45.4 26.71,44.69 D398.3 26.74,43.86 26.74,43.32 26.68,43.26 26.68,42.77 D430.3 26.74,41.96 26.74,41.42 26.68,41.37 26.68,40.87 D462.3 26.74,40.07 26.74,39.53 26.68,39.47 26.68,38.97 D494.3 26.74,38.17 26.74,37.63 26.68,37.57 26.68,37.08 D526.3 26.74,36.27 26.74,35.73 26.68,35.68 26.68,35.18 D558.3 26.74,34.37 26.74,33.84 26.68,33.78 26.68,33.28 D590.3 26.74,32.48 26.74,31.94 26.68,31.88 26.68,31.39 D622.3 26.74,30.58 26.74,30.04 26.68,29.99 26.68,29.49 D654.3 26.74,28.68 26.74,28.15 26.68,28.09 26.68,27.59 D686.3 26.74,26.79 26.74,26.25 26.68,26.19 26.68,25.7 D718.3 26.74,24.89 26.74,24.35 26.68,24.3 26.68,23.8 D750.3 26.74,22.99 26.74,22.46 26.68,22.4 26.68,21.9 D782.3 26.74,21.1 26.74,20.56 26.68,20.5 26.68,20.01 D814.3 26.74,19.2 26.74,18.66 26.68,18.61 26.68,18.11 D846.3 26.74,17.3 26.74,16.77 26.68,16.71 26.68,16.21 D878.3 26.74,15.41 26.74,14.87 26.68,14.81 26.68,14.32 D910.3 26.74,13.51 26.74,12.97 26.68,12.92 26.68,12.42 D942.3 26.74,11.61 26.74,11.08 26.68,11.02 26.68,10.52 D974.3 26.74,9.72 26.74,9.18 26.68,9.12 26.68,8.63 D1006.3
  Bottom w0.2: U5.18 19.13,41.17 19.31,41.35 22.26,41.35 v1(26.51,45.6)
COL_GA14: length 81.7
  Top w0.127: D15.3 28.58,66.68 28.58,65.53 D47.3 28.21,64.85 28.58,64.48 28.58,63.63 D79.3 28.59,62.88 28.59,61.74 D111.3 28.63,60.93 28.63,60.39 28.58,60.33 28.58,59.84 D143.3 28.21,59.09 28.58,58.71 28.58,57.94 D175.3 28.23,57.57 28.58,57.22 28.58,56.04 D207.3 28.58,55.3 28.58,54.15 D239.3 28.21,53.3 28.6,52.9 28.6,52.28 D271.3 28.21,51.4 28.6,51 28.6,50.38 D303.3 28.21,49.51 28.6,49.11 28.6,48.48 D335.3 28.21,48.04 28.6,47.65 28.6,46.59 D367.3 28.21,45.8 v1(28.4,45.6) 28.6,45.4 28.6,44.69 D399.3 28.64,43.86 28.64,43.32 28.58,43.26 28.58,42.77 D431.3 28.64,41.96 28.64,41.42 28.58,41.37 28.58,40.87 D463.3 28.64,40.07 28.64,39.53 28.58,39.47 28.58,38.97 D495.3 28.64,38.17 28.64,37.63 28.58,37.57 28.58,37.08 D527.3 28.64,36.27 28.64,35.73 28.58,35.68 28.58,35.18 D559.3 28.64,34.37 28.64,33.84 28.58,33.78 28.58,33.28 D591.3 28.64,32.48 28.64,31.94 28.58,31.88 28.58,31.39 D623.3 28.64,30.58 28.64,30.04 28.58,29.99 28.58,29.49 D655.3 28.41,29.12 28.75,28.77 28.75,28.38 28.58,28.21 28.58,27.59 D687.3 28.53,27.22 28.62,27.12 28.62,25.74 D719.3 28.64,24.89 28.64,24.35 28.58,24.3 28.58,23.8 D751.3 28.64,22.99 28.64,22.46 28.58,22.4 28.58,21.9 D783.3 28.64,21.1 28.64,20.56 28.58,20.5 28.58,20.01 D815.3 28.64,19.2 28.64,18.66 28.58,18.61 28.58,18.11 D847.3 28.64,17.3 28.64,16.77 28.58,16.71 28.58,16.21 D879.3 28.64,15.41 28.64,14.87 28.58,14.81 28.58,14.32 D911.3 28.64,13.51 28.64,12.97 28.58,12.92 28.58,12.42 D943.3 28.64,11.61 28.64,11.08 28.58,11.02 28.58,10.52 D975.3 28.64,9.72 28.64,9.18 28.58,9.12 28.58,8.63 D1007.3
  Bottom w0.2: U5.19 19.06,40.53 19.52,41 23.8,41 v1(28.4,45.6)
COL_GA15: length 83.5
  Top w0.127: D16.3 30.48,66.68 30.48,65.53 D48.3 30.1,64.85 30.48,64.48 30.48,63.63 D80.3 30.36,63 30.36,62.39 30.48,62.28 30.48,61.73 D112.3 30.1,60.75 30.48,60.38 30.48,59.84 D144.3 30.1,59.09 30.48,58.71 30.48,57.94 D176.3 30.52,57.15 30.52,56.09 D208.3 30.48,55.3 30.48,54.15 D240.3 30.1,53.3 30.5,52.9 30.5,52.28 D272.3 30.1,51.4 30.5,51 30.5,50.38 D304.3 30.1,49.51 30.5,49.11 30.5,48.48 D336.3 30.1,47.61 30.5,47.21 30.5,46.59 D368.3 30.1,45.8 v1(30.3,45.6) 30.5,45.4 30.5,44.69 D400.3 30.53,43.86 30.53,43.32 30.48,43.26 30.48,42.77 D432.3 30.53,41.96 30.53,41.42 30.48,41.37 30.48,40.87 D464.3 30.53,40.07 30.53,39.53 30.48,39.47 30.48,38.97 D496.3 30.53,38.17 30.53,37.63 30.48,37.57 30.48,37.08 D528.3 30.53,36.27 30.53,35.73 30.48,35.68 30.48,35.18 D560.3 30.53,34.37 30.53,33.84 30.48,33.78 30.48,33.28 D592.3 30.53,32.48 30.53,31.94 30.48,31.88 30.48,31.39 D624.3 30.53,30.58 30.53,30.04 30.48,29.99 30.48,29.49 D656.3 30.53,28.68 30.53,28.15 30.48,28.09 30.48,27.59 D688.3 30.53,26.79 30.53,26.25 30.48,26.19 30.48,25.7 D720.3 30.53,24.89 30.53,24.35 30.48,24.3 30.48,23.8 D752.3 30.53,22.99 30.53,22.46 30.48,22.4 30.48,21.9 D784.3 30.53,21.1 30.53,20.56 30.48,20.5 30.48,20.01 D816.3 30.53,19.2 30.53,18.66 30.48,18.61 30.48,18.11 D848.3 30.53,17.3 30.53,16.77 30.48,16.71 30.48,16.21 D880.3 30.53,15.41 30.53,14.87 30.48,14.81 30.48,14.32 D912.3 30.53,13.51 30.53,12.97 30.48,12.92 30.48,12.42 D944.3 30.53,11.61 30.53,11.08 30.48,11.02 30.48,10.52 D976.3 30.53,9.72 30.53,9.18 30.48,9.12 30.48,8.63 D1008.3